# Altium PCB PCB_SDR.PcbDoc (part 4 of 6) (continued)
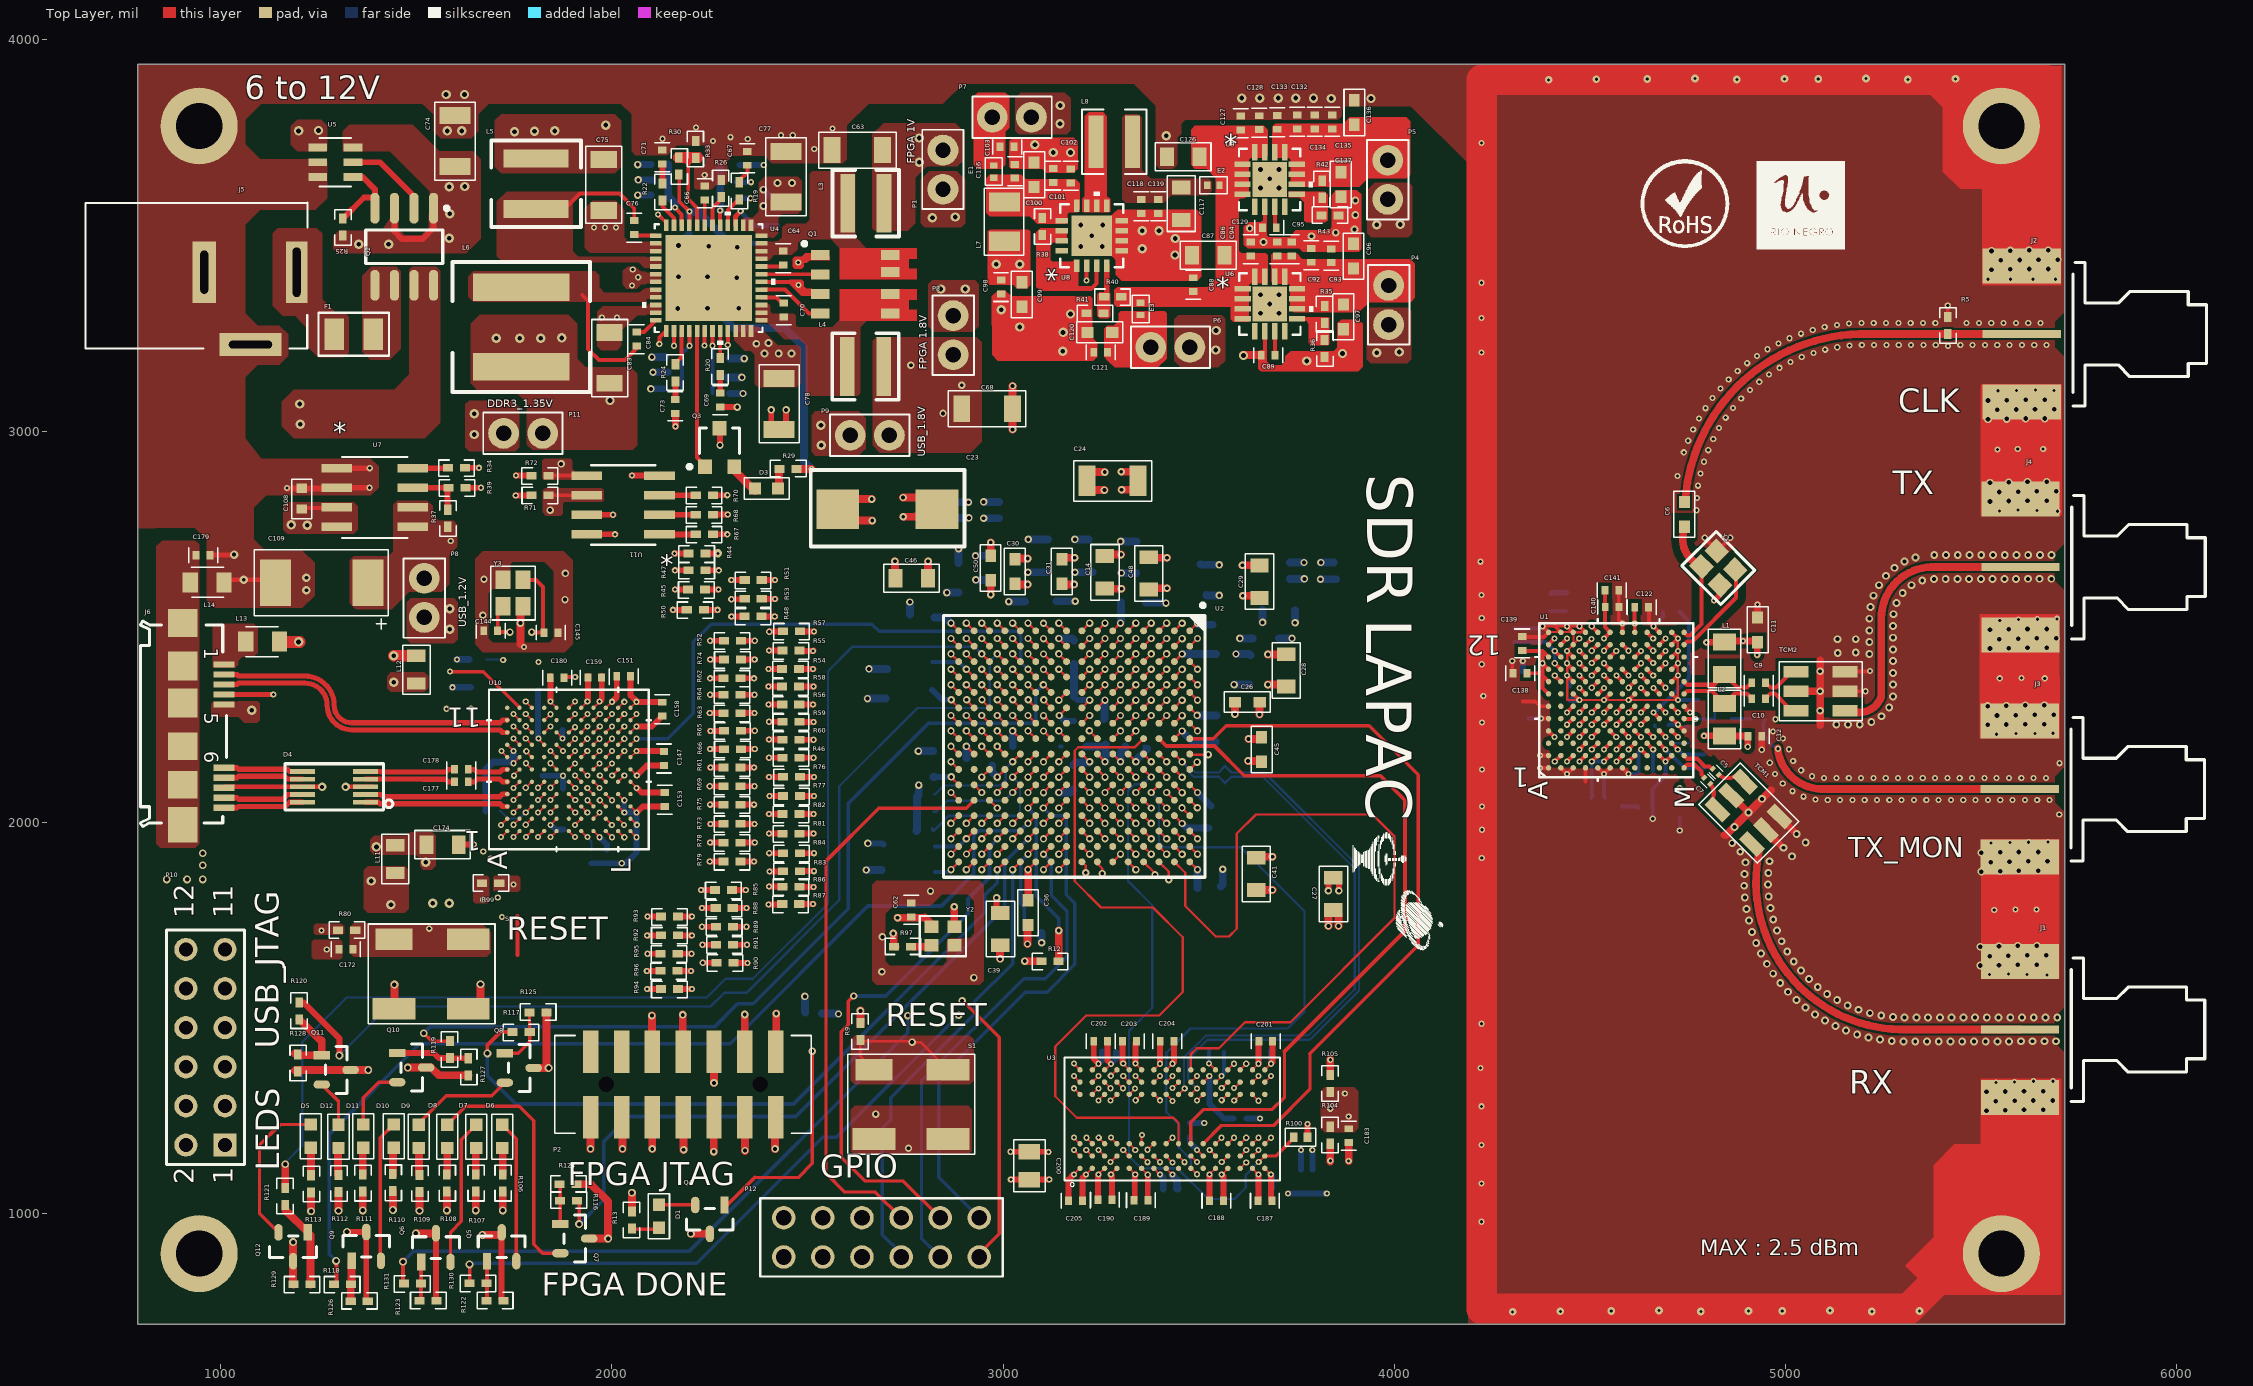
[diagram p0: Top Layer view]
## Nets (pads, with @x,y where several pads share a name; then routed paths per layer and width w, separated by ;. In a path a pad name is that pad's centre, name@x,y a point inside that pad or via, vN(x,y) a via of type N, cw(c..) or ccw(c..) an arc to the next point about the centre after c; other vN are vias at no path point) (continued)
  Top Layer w6: v2@2865.4,1878 v2(2866.54,1879.13) U2.T16@2886.22,1898.82 ; v2@2866.54,2312.2 U2.T6@2886.22,2292.52 ; v2(2905.91,2194.09) U2.R9@2925.59,2174.41 ; v2(2945.28,2469.69) U2.P2@2964.96,2450 ; U2.P12@2964.96,2056.3 v2(2984.65,2036.62) ; v2(2984.65,1918.5) U2.N15@3004.33,1938.19 ; v2(2984.65,2351.57) U2.N5@3004.33,2331.89 ; v2(3024.02,2233.46) U2.M8@3043.7,2213.78 ; v2(3063.39,2075.98) U2.L11@3083.07,2095.67 ; v2(3063.39,2509.06) U2.L1@3083.07,2489.37 ; v2@3102.76,1957.87 U2.K14@3122.44,1977.56 ; v2@3102.76,2233.46 v2(3103,2233.22) U2.K8@3122.44,2213.78 ; v2@3102.76,2272.83 v2(3103,2272.59) U2.K7@3122.44,2253.15 ; v2@3102.76,2312.2 U2.K6@3122.44,2292.52 ; v2@3102.76,2390.95 v2(3103,2390.7) U2.K4@3122.44,2371.26 ; v2(3142.13,2075.98) U2.J11@3161.81,2095.67 ; v2(3142.13,2154.72) U2.J9@3161.81,2174.41 ; v2(3142.13,2233.46) U2.J8@3161.81,2213.78 ; U2.H7@3201.18,2253.15 v2(3220.87,2272.83) ; U2.H6@3201.18,2292.52 v2(3220.87,2312.2) ; U2.G13@3240.55,2016.93 v2(3260.24,1997.24) ; U2.G9@3240.55,2174.41 v2(3260.24,2154.72) ; U2.G3@3240.55,2410.63 v2(3260.24,2430.32) ; U2.F16@3279.92,1898.82 v2(3299.61,1918.5) ; U2.F10@3279.92,2135.04 v2(3299.61,2115.35) ; U2.F8@3279.92,2213.78 v2(3299.61,2233.46) ; U2.F6@3279.92,2292.52 v2(3299.61,2312.2) ; U2.E9@3319.29,2174.41 v2(3338.98,2154.72) ; U2.D12@3358.66,2056.3 v2(3378.35,2036.61) ; U2.D2@3358.66,2450 v2(3378.35,2469.69) ; U2.C15@3398.03,1938.19 v2(3417.72,1918.5) ; U2.C5@3398.03,2331.89 v2(3417.72,2351.57) ; U2.B8@3437.4,2213.78 v2@3457.09,2233.46 ; U2.A11@3476.77,2095.67 v2(3496.46,2075.98) ; U2.A1@3476.77,2489.37 v2(3496.46,2509.06) ; v1(4378.15,2500.98) 4409.64,2500.98 v1@4441.14,2500.98 ; U1.A12@4394.63,2486.36 U1.B12@4424.27,2486.36 ; U1.B12@4426.13,2486.36 U1.C12@4455.76,2486.36 ; v1(4441.14,2437.99) v1(4441.14,2406.49) v1(4441.14,2375) 4441.14,2312.4 4472.45,2312.4 v1(4535.63,2312.4) v1(4598.62,2312.4) v1(4724.21,2312.4) v1(4724.21,2375) v1(4724.21,2406.49) v1(4724.21,2437.99) v1(4724.21,2469.49) ; v1@4441.14,2438.39 U1.C11@4456.69,2453.94 ; v1(4441.3,2500.82) v1@4441.14,2500.98 ; v1(4472.24,2469.49) 4457.62,2454.87 4457.62,2485.43 U1.D12@4488.19,2485.43 ; v1(4472.64,2500.98) v1@4441.14,2500.98
  Top Layer w10: U7.2@1296.62,2853.38 U7.2@1297,2853 ; v1(1380,2855) v1@1382,2853 ; v1(1381,2905) v1@1383,2907 ; C180.2@1874.72,2369 1877.15,2371.43 v1(1906,2371.43) ; v1(2121,3222) 2121,3239 U4.13@2139,3257 ; v1(2236.54,3218.2) 2237,3218.66 U4.18@2237,3262 ; Q3.3@2275,3007.21 Q3.3@2276,3006.21 ; v2@2319.78,3061.22 v2(2320,3061) ; U4.30@2382.19,3381.1 2454.9,3381.1 2485.8,3350.2 Q1.3@2520.67,3350.2 ; v1@2476,3431.5 2476,3430 2496.2,3450.2 Q1.1@2520.67,3450.2 ; C46.2@2807.34,2623 C46.2@2808,2623.66 ; v1@3213.06,3383.83 v1(3213.06,3384.81) U8.2@3213.06,3422.48 ; C89.2@3660.39,3194 3668.58,3202.18 U6.6@3668.57,3255.27 ; C129.2@3662.39,3517 3662.39,3531.28 3668.58,3537.47 U9.6@3668.58,3575.15 ; v1(4301,2412) 4301,2383.28 C138.1@4303.28,2381 ; C139.1@4326.85,2473.72 4381.98,2473.72 U1.A12@4393.7,2485.43 ; 4328.85,2308.28 4359.87,2308.28 4371.7,2296.46 U1.A6@4393.7,2296.46 ; v1(4371.7,2138.98) U1.A1@4393.7,2138.98 ; v1(4371.7,2170.47) U1.A2@4393.7,2170.47 ; v1@4371.7,2264.96 U1.A5@4393.7,2264.96 ; v1@4377.95,2501.18 4378.15,2500.98 4388.26,2490.88 ; 4388.07,2491.07 4388.26,2490.88 ; U1.A4@4393.7,2233.46 v1(4409.26,2217.91) ; U1.A12@4394.63,2486.36 U1.A12@4393.7,2485.43 ; v1@4409.45,2154.72 v1(4409.65,2154.92) U1.B2@4425.2,2170.47 ; 4409.45,2501.18 4409.64,2500.98 U1.B12@4424.27,2486.36 ; 4419.81,2490.81 U1.B12@4424.27,2486.36 ; U1.B1@4425.2,2138.98 v1(4440.75,2123.43) v1@4440.94,2123.23 ; U1.B12@4426.13,2486.36 U1.B12@4425.2,2485.43 ; v1@4440.92,2122.88 4441.11,2123.07 U1.C1@4456.67,2138.63 ; v1@4440.95,2154.72 v1(4441.14,2154.92) U1.C2@4456.69,2170.47 ; v1@4440.95,2217.72 v1(4441.14,2217.91) U1.C4@4456.69,2233.46 ; v1@4440.94,2375.19 v1(4441.14,2375) U1.C8@4456.69,2359.45 ; v1@4440.94,2406.69 v1(4441.14,2406.49) U1.C9@4456.69,2390.94 ; v1@4440.94,2438.19 v1(4441.14,2437.99) ; v1@4440.94,2501.18 4441.14,2500.98 v1(4441.3,2500.82) U1.C12@4455.76,2486.36 ; v1@4441.14,2438.39 v1(4441.14,2437.99) ; U1.C10@4456.69,2422.44 v1(4441.14,2437.99) ; U1.C7@4456.85,2328 4472.4,2312.45 4472.45,2312.4 v1@4472.6,2312.25 ; U1.C12@4457.62,2485.43 U1.C12@4456.69,2485.43 ; v1(4472.24,2469.49) v1@4472.44,2469.69 ; v1@4472.44,2501.18 v1(4472.64,2500.98) U1.D12@4488.19,2485.43 ; 4488.19,2104 U1.D1@4488.19,2138.98 ; U1.E1@4519.68,2138.98 4535.43,2123.23 v1(4535.63,2123.43) U1.F1@4551.18,2138.98 ; v1@4535.43,2186.22 v1(4535.63,2186.42) U1.F3@4551.18,2201.97 ; v1@4535.43,2312.2 v1(4535.63,2312.4) U1.F7@4551.18,2327.95 ; v1@4535.43,2406.69 v1(4535.63,2406.49) U1.F9@4551.18,2390.94 ; v1@4535.43,2438.19 v1(4535.63,2438.39) U1.F11@4551.18,2453.94 ; C141.1@4573.16,2592.57 4573.16,2516.95 v1(4582.48,2507.63) ; U1.G1@4582.68,2138.98 v1(4598.23,2123.43) v1@4598.42,2123.23 ; U1.G12@4582.68,2485.43 v1@4582.68,2507.43 ; v1@4598.43,2154.72 v1(4598.62,2154.92) U1.H2@4614.17,2170.47 ; v1@4598.43,2186.22 v1(4598.62,2186.42) U1.H3@4614.17,2201.97 ; v1@4598.43,2280.71 v1(4598.62,2280.91) U1.H6@4614.17,2296.46 ; v1@4598.43,2312.2 v1(4598.62,2312.4) U1.H7@4614.17,2327.95 ; U1.H9@4614.17,2390.94 v1(4629.72,2406.49) v1@4629.92,2406.69 ; U1.H10@4614.17,2422.44 v1(4629.72,2437.99) v1@4629.92,2438.19 ; v1@4629.92,2186.22 v1(4630.12,2186.02) U1.J2@4645.67,2170.47 ; C122.1@4650.57,2550 4650.57,2512.03 v1(4661.61,2500.98) ; v1@4661.42,2501.18 v1(4661.61,2500.98) ; U1.K2@4677.17,2170.47 v1@4692.91,2154.73 ; U1.K12@4677.17,2485.43 v1(4661.61,2500.98) ; v1@4692.91,2154.72 v1(4693.11,2154.92) U1.L2@4708.66,2170.47 ; U1.L3@4708.66,2201.97 4724.21,2186.42 v1@4724.41,2186.22 ; U1.L5@4708.66,2264.96 v1(4724.21,2249.41) ; U1.L7@4708.66,2327.95 v1(4724.21,2312.4) v1@4724.41,2312.21 ; U1.L8@4708.66,2359.45 v1(4724.21,2375) v1@4724.41,2375.2 ; U1.L9@4708.66,2390.94 v1(4724.21,2406.49) v1@4724.41,2406.69 ; U1.L10@4708.66,2422.44 v1(4724.21,2437.99) v1@4724.41,2438.19 ; U1.L11@4708.66,2453.94 v1(4724.21,2469.49) v1@4724.41,2469.69 ; U1.L12@4708.66,2485.43 v1@4724.21,2469.89 ; v1@4724.41,2249.21 v1(4724.21,2249.41) ; U1.M4@4740.16,2233.46 v1(4724.21,2249.41) ; U1.M6@4740.16,2296.46 v1(4755.71,2280.91) v1@4755.9,2280.71 ; v1@4792.8,2726.97 Y1.2@4825.15,2694.62 ; Y1.2@4825.15,2693.15 v1@4857.5,2725.5 ; C11.1@4925.5,2519 C11.1@4927.96,2521.45 ; 5086,2246 5088,2248 ; TCM2.2@5151.45,2335 v1@5204,2335 ; TCM2.1@5151.45,2385 5205,2385 ; R5.1@5414,3289.76 v1(5414,3321) ; 5641.73,3740.16 5645.67,3744.09 ; 4388.26,2490.88 U1.A12@4393.7,2485.43 ; 4388.26,2490.88 U1.A12@4393.7,2485.43 ; U1.B12@4424.27,2486.36 4425.2,2486.36 U1.B12@4425.2,2485.43 ; U1.B12@4424.27,2486.36 U1.B12@4425.2,2485.43 ; U1.B12@4424.27,2486.36 U1.B12@4425.2,2485.43 ; U1.C12@4455.76,2486.36 4456.69,2486.36 U1.C12@4456.69,2485.43 ; U1.C12@4455.76,2486.36 U1.C12@4456.69,2485.43 ; U1.C11@4456.69,2453.94 4457.62,2454.87 U1.C11@4456.69,2453.94
  Top Layer w12: C179.1@972.72,2683 1033,2683 v10(1034,2684) ; L14.2@1008.31,2613.03 1015.31,2620.03 v10(1059,2620.03) 1131.86,2620.03 C109.2@1139.89,2612 ; J6.8@1010.92,2090.58 v10(1259,2090.58) ; v10(1319,2090.42) D4.3@1389.39,2090.42 ; Y3.4@1766,2545.98 Y3.4@1772.59,2552.57
  Top Layer w15: v1@1168,2853.38 C108.2@1207,2853.38 U7.2@1296.62,2853.38 ; U7.2@1297,2855 v1(1380,2855) ; U7.1@1297,2905 v1(1381,2905) ; v3(1322.81,953) Q9.3@1371,953 ; Q9.3@1372,952 1372,779.76 R126.2@1375.76,776 ; R123.2@1550,781.76 Q6.3@1550,949.81 ; C174.2@1608.34,1943 v1@1645,1943 ; R39.1@1625.76,2855 v1(1665,2855) ; Q5.3@1718,951.81 1718,781.76 R122.2@1722.76,777 ; v1@1938.28,2309.54 C159.1@1938.28,2374 ; U11.7@1966,2786 v1(2003,2786) v1@2004,2786 ; C151.1@2047.72,2373 2047.71,2324.29 2062.99,2309.01 v1(2062.99,2307.87) C158.1@2126.84,2307.87 ; v1@2050,2886 v1(2051,2886) U11.4@2088,2886 ; v1@2063.51,2024.95 2078.85,2040.28 C153.1@2136,2040.28 ; v1@2063.51,2119.54 2088.98,2145 C147.1@2130.29,2145 ; R67.1@2257.76,2736 v1(2294.76,2736) ; R70.1@2257.76,2836 v1(2294.76,2836) ; R68.1@2259,2787 v1(2296,2787) ; v2(2276,2964) Q3.3@2276,3006.21 ; C69.2@2276.57,3061.22 v2@2319.78,3061.22 ; C78.1@2406,3017 2407,3018 v2(2407,3054) ; C78.1@2445,3023 v2(2445,3053.96) ; v1(3018.33,1158) 3115.1,1158 v1(3115.67,1157.43) ; C205.2@3202.72,1033 3202.72,1090.91 v1@3211.93,1100.12 ; C202.2@3231.28,1440 3231.28,1394.73 v1(3243.27,1382.75) ; v1(3274.97,1100.07) 3277.72,1097.32 C190.2@3277.72,1035 ; C189.2@3336,1035.72 3336,1098.32 3337.41,1099.73 v1(3337.46,1099.78) ; v1@3338.25,1383.14 C203.2@3338.25,1437.54 ; v1(3400.75,1382.75) C204.2@3400.75,1439.47 ; C188.2@3526.94,1033.35 v1(3526.94,1100.07) ; v1@3683.92,1099.68 3683.92,1035.8 C187.2@3686.72,1033 ; v1(3684.21,1382.75) 3688,1386.54 C201.2@3688,1436.28 ; R100.2@3777.72,1195 v1(3777.72,1228.72) ; v2(3831,1825) 3831,1845.34 C27.2@3844,1858.34 3858,1844.34 v2(3858,1825) ; v1(4817,2567) 4831,2581 4831,2605.82 Y1.4@4832.03,2606.85
  Top Layer w17.54: v1(2162.42,3012) C73.2@2162.42,3045.47 ; 4842,1968 4842,1967 4847,1967 ; TCM1.5@4854,2076 v9(4905,2025) ; C11.1@4927.96,2521.45 v1(4927.96,2556.49) ; v1(4938.72,2185.28) C12.2@4938.72,2220 ; TCM1.2@4941,1987 4993,1935 v9(4994,1935) ; TCM1.1@4980.35,2017.36 v9(5028,1969.71)
  Top Layer w20: Q12.3@1185,878.19 1185,820.24 R129.2@1186.24,819 ; Q12.3@1185,878.81 v3(1185,927) ; R128.2@1190,1365.24 1191.76,1367 Q11.3@1331.81,1367 v3(1377,1367) ; Q9.3@1371,953 Q9.3@1372,952 ; S2.4@1444,1532 v3(1444,1585.19) ; v3(1477.81,1373) Q10.3@1524.81,1373 1538,1373 1557.76,1353.24 R127.2@1633,1353.24 ; v3(1498.81,949.19) Q6.3@1547,949.19 ; S2.3@1664,1533 v3(1664,1586.19) ; v3(1668.81,945) Q5.3@1717,945 ; 1766,2456 v2(1766,2509) Y3.4@1766,2545.98 ; Q8.3@1799.81,1372 v3(1838,1372) 1832.76,1377.24 R125.2@1832.76,1514 ; R124.2@1909.76,1075 1946,1075 1990,1031 v3(1990,936) Q7.3@1941.81,936 ; v2@1945,1164.14 v2(1945,1165.14) P2.13@1945,1260 ; v2@2027,1164.14 v2(2027,1165.14) P2.11@2027,1260 ; v2@2103,1164.14 v2(2103,1165.14) P2.9@2103,1260 ; v2@2183,1162.14 v2(2183,1163.14) P2.7@2183,1258 ; v3(2201.81,948.19) Q4.3@2250,948.19 ; v2@2260,1157.14 v2(2260,1158.14) P2.5@2260,1253 ; v2@2340,1160.14 v2(2340,1161.14) P2.3@2340,1256 ; v2@2417,1164.14 v2(2417,1165.14) P2.1@2417,1260 ; C23.2@2624.49,2826 v2(2664,2826) ; C23.2@2625.49,2771 v2@2665,2771 ; C46.2@2808,2623.66 v2(2808,2667) ; C50.2@2968,2689.5 v2(2968,2715) ; v2(2992,1651) C39.2@2992,1687.66 ; C68.1@3023.96,3057 C68.1@3023.96,3057 v2(3024,3115) ; v2(3024,3004) C68.1@3024,3054.04 ; C30.2@3029,2674 v2(3062.5,2674) ; v2(3062,1689) 3062,1735 C36.2@3064,1737 ; C31.2@3149,2676 v2(3182.5,2676) ; C14.2@3267.34,2684 v2(3301,2684) ; v2(3301.5,2896) C24.2@3328,2896 ; v2(3302.5,2850) C24.2@3331,2850 ; C48.2@3381,2676 v2(3418.66,2676) ; v6@3612,3194 C89.2@3660.39,3194 ; v2(3612.34,2579) C29.2@3662,2579 ; v2(3626,2157) C45.2@3656,2157 ; C41.2@3643,1827 v2(3688,1827) ; v2(3655,2275.34) 3655,2305 C26.2@3655,2307 ; v2(3676.34,2429) C28.2@3708,2429 ; R105.2@3836,1352.76 v1@3836,1395 ; 4847,1967 v9(4905,2025) 4962,2082 ; TCM2.5@5026.25,2335 v9(5088,2335) ; 5088,2248 v9(5088,2335) ; 5088,2414 v9(5088,2335)
  Top Layer w78.74: 4222.85,3896 4222.85,756 5313.87,756 5382.87,825 ; 4222.85,3897.64 5662.85,3897.64 5662.85,3740.16 5641.73,3740.16 pad.MH0@5511.81,3740.16
  Bottom Layer w5: v1@1811,2214.59 v1(1811.81,2213.78) ; v1@1842.52,1994.76 v1@1843.24,1994.03 ; v1(1937.53,1961.95) 1937.53,1960.47 1947.72,1950.28 C164.1@1947.72,1930 ; C165.1@1947.72,1895 C165.1@1948,1895.28 ; C34.2@2699.66,2316 C34.2@2705,2310.66 ; C43.2@3556,1835.5 C43.2@3559.5,1832 ; C186.2@3761,1113 C186.2@3761.43,1112.57 ; C186.2@3790,1113 C186.2@3790.43,1112.57
  Bottom Layer w5.91: v2(3024.02,2233.46) v2@3024.5,2232.98 ; C22.2@3179,2083.5 C22.2@3180,2082.5 ; C19.2@3181,2321.5 C19.2@3190.29,2312.2 ; v2@3457.33,2232.67 v2(3457.33,2233.22) ; C54.2@3534.49,2505 C54.2@3540,2499.5
  Bottom Layer w6: v1@1744.5,2182.53 v1(1748.55,2182.53) ; C106.1@4446.57,2309 C106.1@4450.02,2312.45
  Bottom Layer w10: C167.1@1811,2337.28 C167.1@1813.72,2340 ; v2(2761.5,2563) v2@2762,2562.5 ; C37.2@2826,1873 2860.4,1873 v2(2866.54,1879.13) ; C17.2@3361,2194 C17.2@3368,2187 ; v1(3525.98,1383.81) C181.2@3525.98,1415 ; C91.1@4306.85,2495.72 4372.88,2495.72 v1(4378.15,2500.98) ; C104.1@4343,2265.28 4373.72,2265.28 v1(4374,2265) ; v1(4535.63,2123.43) 4535.63,2066.08 C110.1@4538.13,2063.57 ; v1(4598.23,2123.43) C113.1@4618.56,2123.43 ; C113.1@4624.13,2129 4624.13,2180.04 v1(4630.12,2186.02) ; v1(4660,2009) 4660,2036.57 C3.2@4659.57,2037 4659.57,2085 4693.11,2118.54 v1(4693.11,2154.92) ; v1(4661.61,2500.98) 4686.57,2525.94 C125.1@4686.57,2536 ; C130.1@4700.57,2248 4701.98,2249.41 v1(4724.21,2249.41) 4730.62,2243 C131.1@4750.57,2243 ; v1(4724,2186) 4724.63,2186 4736.91,2173.72 4754.85,2173.72 C114.1@4790.85,2173.72 ; v1(4724.21,2312.4) 4774.83,2312.4 R7.1@4775.24,2312 ; v1@4729,1977 R2.1@4729,2011.24
  Bottom Layer w12: v6(2320,3470) 2324,3470 2334.24,3480.24 R115.1@2365,3480.24
  Bottom Layer w15: v1@1811,2214.59 C167.1@1811,2337.28 ; C175.1@1822.72,2119 v1(1875,2119) ; v1@1843.24,1994.03 1855.99,1981.28 C162.1@1876,1981.28 ; C163.1@1875,2086.72 v1@1875,2120 ; C165.1@1948,1895.28 v1(2025,1895.28) 2035.28,1895.28 2062.99,1922.99 v1(2062.99,1961.81) v1(2062.99,2024.8) v1(2031.5,2024.8) v1(2031.5,2056.25) ; R18.1@2325.76,3680 v1(2388,3680) ; C33.2@2818,2338.5 2843.5,2313 v2(2867,2313) ; v1(3018.33,1158) v1@3018.9,1157.43 ; C19.2@3190.29,2312.2 v2(3220.87,2312.2) ; C206.2@3203.72,1060 3203.72,1091.81 v1(3211.98,1100.07) ; v1(3243.27,1382.75) 3252,1391.48 C207.2@3252,1414 ; C194.2@3277.72,1065 v1@3277.72,1097.32 ; C196.2@3335.28,1065 3335.28,1097.6 v1(3337.46,1099.78) ; R101.2@3477,1231.72 v1(3513.72,1231.72) ; C195.2@3527.28,1066 v1@3527.28,1099.73 ; R103.2@3622,1243 v1@3658.28,1243 ; v1@3684.72,1386.25 C61.2@3684.72,1415 ; C193.2@3686.72,1065 v1@3686.72,1096.98 ; C186.2@3761,1113 v1(3761,1162.57) ; C186.2@3790,1113 v1(3790,1162.57) ; C107.1@4328,2384.72 v1(4328,2412) ; v1(4441.14,2375) 4446.57,2369.57 C105.1@4446.57,2349 ; C106.1@4450.02,2312.45 v1(4472.4,2312.45)
  Bottom Layer w17.54: v1@1591,2345 C154.2@1638.66,2345 ; v1@1603,2416 R98.1@1635.24,2416 ; C148.1@1677.28,2029 1677.28,2135.28 1695.72,2153.72 1745.1,2153.72 1748.55,2157.17 v1(1748.55,2182.53) ; v2@2064,3681 R28.1@2100.24,3681 ; v2(2099.44,3107.69) 2099.87,3108.13 R32.1@2133.49,3108.13 ; v6(2170,3474) 2170,3476.28 C81.2@2197,3503.28 ; R23.1@2300.76,3096 v2@2338,3096 ; v1(3400.46,1099.78) 3409,1091.24 C182.2@3409,1062.72 ; v2(3496.46,2075.98) C42.2@3531.22,2041.22
  Bottom Layer w20: v2(2650,1878) C44.2@2689.5,1878 ; v2(2653,2316) C34.2@2699.66,2316 ; C49.2@2762,2531 v2@2762,2562.5 ; v2@2782,2182 v2(2783,2182) C40.2@2821,2182 ; C58.2@2871.49,2818 v2@2911,2818 ; C58.2@2872.49,2778 v2@2912,2778 ; C56.2@2886,2662.5 v2(2886,2699) ; C38.2@2905.91,2163.6 v2(2905.91,2194.09) ; v2(2929,2681) 2966.5,2681 C51.2@2967,2681.5 ; C21.2@3024.5,2195 v2@3024.5,2232.98 ; v2(3064,2723) 3111,2723 C13.2@3114.66,2723 ; v2(3098,1692) R10.2@3098,1717 ; C15.2@3136.49,2565 v2(3184,2565) ; v2(3142.13,2075.98) 3171.48,2075.98 C22.2@3179,2083.5 ; C19.2@3181,2321.5 C57.2@3181,2405 ; v2(3183,2723) C47.2@3218,2723 ; C18.2@3212.5,2194 3256.5,2194 C20.2@3258.5,2196 ; v2(3260.24,2154.72) 3261,2155.49 3261,2193.5 C20.2@3258.5,2196 ; C20.2@3261,2198.5 C20.2@3258.5,2196 ; v2(3302,2637) C16.2@3340,2637 ; v2(3338.98,2154.72) 3338.98,2157.98 C17.2@3368,2187 ; C55.2@3364.5,2561 v2@3415,2561 ; v2@3457.33,2232.67 3484.5,2205.5 C53.2@3543,2205.5 ; v2(3496.46,2509.06) 3500.51,2505 C54.2@3534.49,2505 ; C35.2@3519,2581 3520,2580 v2(3552,2580) ; C43.2@3556,1835.5 3561,1840.5 v2(3561,1880) ; v2(3595,2430) 3629,2430 C32.2@3632,2427 ; v2(3604.85,2470) C25.2@3637.85,2470 ; v2(3746,2510) C52.2@3746,2541.85 ; v2(3810.85,2621) C59.2@3850.85,2621 ; v2(3811.85,2664) C59.2@3844.85,2664
  other v1: 4222,979 4222,1077 3683.92,1099.78 3463.45,1131.28 3621.22,1130.78 4222,1175 3212.65,1193.65 3656.28,1243 4222,1274 3305.97,1320.25 3432.45,1320.54 5537,1335 5585,1336 5633,1338 5683,1338 3400.75,1351.25 3306.76,1351.54 4220,1372 3180.77,1383.04 3621.22,1382.75 3836,1393 4222,1485 5668,1610 5521,1611 5617,1611 5569,1612 1271,1675 5533,1776 5587,1777 5641,1777 1670,1802 1708,1808 1690,1907 4223,1909 1671,1925 1647,1943 5525,1947 5573,1948 5621,1949 5670,1950 4729,1979 4224,1981 1842.52,1993.31 2063.51,1993.55 5699,2020 4224,2040 2063.51,2119.29 4224,2135 5700,2151 1748.03,2213.78 5539,2225 5588,2227 5637,2227 5683.51,2227.47 4224,2255 4227,2323 5203.8,2334.8 1592,2345 5547,2368 5662,2368 5603,2369 5215,2387 4223,2404 1812,2410 1604,2416 1775,2448 5547,2516 5595,2518 5643,2519 5693,2520 4223,2522 4222,2581 4220,2666 4793,2727.17 4858.2,2727.2 5695,2795 5546,2796 5642,2797 5594,2798 1169,2854 5541,2953 5593,2954 5658,2954 5542,3103 5590,3104 5686,3104 5638,3105 4222,3201 4222,3289 1974,3290 2013,3290 2477,3373 4222,3379 5517,3388 5574,3388 5632,3388 5690,3388 2476,3431 1954,3520 1982,3520 2010,3520 2237,3654 2517,3721 4222,3736 2258,3741 2347,3746 2129,3747 2303,3751 2432,3756 2462,3756 2564,3773 2215,3776
  other v2: 2758,1167 2674,1254 2925,1603 2690,1618 2691,1707 2814,1824 3103,1957.63 3103.46,2312.76 1670,2529 3416,2560 1880,2569 1673,2621 1881,2636 2665.16,2771 2912.16,2778 2911.16,2818 2335,3096 2066,3681
  other v3: 5513,1263 5561,1264 5609,1265 5658,1265 5537,1287 5585,1288 5633,1289 5682,1289 5513,1311 5561,1312 5609,1313 5658,1313 5497,1634 5545,1635 5593,1636 5642,1636 5521,1658 5569,1659 5617,1660 5666,1660 5497,1682 5545,1683 5593,1684 5642,1684 5500,1874 5548,1875 5596,1876 5645,1876 5524,1898 5572,1899 5620,1900 5669,1900 5500,1922 5548,1923 5596,1924 5645,1924 5516,2249 5564,2250 5612,2251 5661,2251 5540,2273 5588,2274 5636,2275 5685,2275 5516,2297 5564,2298 5612,2299 5661,2299 5522,2444 5570,2445 5618,2446 5667,2446 5546,2468 5594,2469 5642,2470 5691,2470 5522,2492 5570,2493 5618,2494 5667,2494 5522,2820 5570,2821 5618,2822 5667,2822 5546,2844 5594,2845 5642,2846 5691,2846 5522,2868 5570,2869 5618,2870 5667,2870 5517,3030 5565,3031 5613,3032 5662,3032 5541,3054 5589,3055 5637,3056 5686,3056 5517,3078 5565,3079 5613,3080 5662,3080 5526,3412 5574,3413 5622,3414 5671,3414 5550,3436 5598,3437 5646,3438 5695,3438 5526,3460 5574,3461 5622,3462 5671,3462
  other v4: 5107.28,2056.75 5138.78,2056.75 5170.27,2056.75 5201.77,2056.75 5233.27,2056.75 5264.76,2056.75 5296.26,2056.75 5327.75,2056.75 5359.25,2056.75 5390.75,2056.75 5422.24,2056.75 5453.74,2056.75 5485.23,2056.75 5516.73,2056.75 5548.23,2056.75 5579.72,2056.75 5611.22,2056.93 5642.71,2056.93 5674.21,2056.93 5075.8,2057.79 5045.23,2065.35 5017.05,2079.42 4992.42,2099.05 5098.16,2113.39 5129.66,2113.25 5161.16,2113.25 5192.65,2113.25 5224.15,2113.25 5255.64,2113.25 5287.14,2113.25 5318.64,2113.25 5350.13,2113.25 5381.63,2113.25 5413.12,2113.25 5444.62,2113.25 5476.12,2113.25 5507.61,2113.25 5539.11,2113.25 5570.6,2113.25 5602.1,2113.07 5633.6,2113.07 5665.09,2113.07 5066.96,2117.63 4972.96,2123.82 5039.46,2132.99 4959.03,2152.07 5019.05,2156.98 5008.3,2186.58 4993.01,2214.12 4967.37,2232.41 4973.8,2263.25 4771.95,2797.43 4773,2828.91 4776.09,2860.25 4723.18,2884.82 4782.56,2891.07 4791.19,2921.36 4739.48,2945.62 4801.94,2950.97 4750.64,2975.07 4814.75,2979.74 4763.46,3003.84 4829.55,3007.54 4778.01,3031.78 4846.47,3034.11 4794.82,3058.41 4865.46,3059.24 4886.17,3082.97 4813.13,3084.04 4908.51,3105.18 4832.86,3108.59 4932.35,3125.75 4854.14,3131.81 4957.58,3144.6 4877.19,3153.27 4984.15,3161.52 4901.42,3173.39 5012.03,3176.17 5040.87,3188.82 4926.76,3192.1 5070.54,3199.4 5100.88,3207.87 4953.32,3209.02 5131.73,3214.17 5414.79,3217.11 5162.96,3218.28 5194.43,3219.66 5225.92,3219.75 5257.42,3219.75 5288.91,3219.75 5320.41,3219.75 5351.91,3219.75 5383.4,3219.75 5446.17,3219.75 5477.67,3219.75 5509.16,3219.75 5540.66,3219.75 5572.16,3219.75 5603.65,3219.93 5635.15,3219.93 5666.64,3219.93 4981.09,3223.9 5009.65,3237.17 5038.92,3248.8 5068.96,3258.27 5099.59,3265.58 5130.6,3271.13 5161.86,3274.91 5193.33,3276.28 5224.83,3276.25 5256.32,3276.25 5287.82,3276.25 5319.31,3276.25 5350.81,3276.25 5382.31,3276.25 5462.27,3276.25 5493.76,3276.25 5525.26,3276.25 5556.75,3276.25 5588.25,3276.25 5619.74,3276.07 5651.24,3276.07
  other v5: 5301,1439.98 5331,1440.08 5361,1440.08 5391,1440.08 5421,1440.08 5451,1440.08 5481,1440.08 5511,1440.08 5541,1440.08 5571,1440.08 5601,1440.27 5631,1440.27 5661,1440.27 5691,1440.27 5271.02,1441.26 5241.22,1444.69 5211.71,1450.06 5182.65,1457.54 5154.34,1467.47 5126.82,1479.41 5100.14,1493.12 5303.94,1500.95 5333.94,1500.92 5363.94,1500.92 5393.94,1500.92 5423.94,1500.92 5453.94,1500.92 5483.94,1500.92 5513.94,1500.92 5543.94,1500.92 5573.94,1500.92 5603.94,1500.73 5633.94,1500.73 5663.94,1500.73 5693.94,1500.73 5273.96,1502.14 5244.19,1505.86 5074.5,1508.71 5214.85,1512.11 5186.15,1520.83 5050.31,1526.44 5158.28,1531.95 5131.47,1545.41 5027.44,1545.86 5105.9,1561.09 5005.89,1566.73 5081.8,1578.96 4985.88,1589.08 5059.51,1599.05 4967.88,1613.08 5039.01,1620.95 4951.64,1638.3 5020.45,1644.51 4937.08,1664.53 5003.96,1669.57 4924.41,1691.73 4989.65,1695.94 4914.16,1719.92 4977.64,1723.44 4905.95,1748.78 4968.02,1751.85 4899.64,1778.11 4960.84,1780.98 4895.41,1807.81 4956.43,1810.65 4893.8,1837.76 4954.68,1840.6 4894.32,1867.76 4955.48,1870.59 4896.8,1897.65 4958.83,1900.4 4883.67,1924.63 4863.16,1946.52 5129.23,2249.65 5159.23,2249.65 5189.23,2250.31 5218.7,2255.93 5244.64,2270.99 5264.43,2293.54 5274.42,2321.83 5274.42,2351.83 5274.42,2381.83 5274.42,2411.83 5213.58,2430.39 5274.42,2441.83 5213.58,2460.39 5274.42,2471.83 5213.58,2490.39 5274.42,2501.83 5213.61,2520.39 5275.52,2531.81 5216.43,2550.26 5283.12,2560.83 5224.71,2579.09 5298.94,2586.32 5238.07,2605.95 5321.57,2606.02 5349,2618.17 5378.79,2621.69 5408.79,2622.08 5438.79,2622.08 5468.79,2622.08 5498.79,2622.08 5528.79,2622.08 5558.79,2622.08 5588.79,2622.08 5618.79,2622.27 5648.79,2622.27 5678.79,2622.27 5256.05,2629.96 5278.08,2650.33 5303.57,2666.15 5331.66,2676.69 5379.66,2682.77 5409.66,2682.92 5439.66,2682.92 5469.66,2682.92 5499.66,2682.92 5529.66,2682.92 5559.66,2682.92 5589.66,2682.92 5619.66,2682.73 5649.66,2682.73 5679.66,2682.73
  other v6: 1079,2286 3776,3179 3614,3193 3867,3198 3152,3204 3153,3252 3042,3266 3172,3299 3657.75,3301.15 3704.99,3301.15 2995,3310 2168.26,3313.26 2244,3314 2323.86,3313.98 3681.37,3324.77 3657.75,3348.39 3704.99,3348.39 2319,3392 2170,3394 2244,3394 3439,3450 3355,3466 3198.3,3471.43 3253.42,3471.43 2247,3472 3440,3492 3225.86,3498.98 3355,3512 3398,3512 3198.3,3526.54 3254.56,3526.56 3657.75,3621.03 3704.99,3621.03 3681.37,3644.65 3657.75,3668.28 3704.99,3668.28 3128,3712 3172,3712 3081,3732 3417,3755 1579,3767 1616,3767 3838,3850 3940,3850 3610,3851 3656,3851 3703,3851 3748,3851 3793,3851 1576,3860 1623,3860
  other v7: 3665,3483 3788,3498 3850,3507 3898,3515 3630,3518 3900,3552 3900,3589
  other v8: 4302,748.64 4424,750 4783,749.64 5220,749.64 4554,750.64 4905,751 4991,750.64 5342,751 4676,752 5113,752 4394,3897.64 4516,3899 4875,3898.64 5312,3898.64 4646,3899.64 4997,3900 5083,3899.64 5434,3900 4768,3901 5205,3901
  other v9: 5016,1913 5051,1948 4869,1988 4939,2060 5088,2285 5088,2386 5133,2433 5179,2434 5132,2468 5179,2468
  other v10: 1219,2593 1219,2625
GPIO0: P12.5 U2.K15 | length 1288.1
  Top Layer w6: v2@3102.76,1918.5 U2.K15@3122.44,1938.19
  Bottom Layer w8.6: P12.5@2839,889 2791,937 2791,1339 3052.5,1600.5 3107.5,1600.5 3163,1656 3163,1773 3123,1813 3123,1898.26 v2(3103,1918.26)
GPIO1: P12.4 U2.M16 | length 1175.8
  Top Layer w6: v2(3024.02,1879.13) U2.M16@3043.7,1898.82
  Bottom Layer w8.6: P12.4@2739,889 2739,898 2691,946 2691,1218 2712.5,1239.5 2712.5,1295.5 2927,1510 2927,1541.98 3024.02,1639 v2(3024.02,1879.13)
GPIO2: P12.6 U2.K13 | length 1288.7
  Top Layer w5.05: v2(2895,1544) v2@2896,1544
  Top Layer w6: v2(3102.76,1997.24) U2.K13@3122.44,2016.93
  Top Layer w8.6: v2@2896,1544 2990,1450 2990,948 2939,897 P12.6@2939,889
  Signal 1 w4.15: v2@2897,1545 2897,1690 3046,1839 3046,1925 3060,1939 3072,1939 3082,1949 3082,1977 3102.24,1997.24 v2(3102.76,1997.24)